# Altium PCB Inverter2beta.PcbDoc (part 2 of 5) (continued)
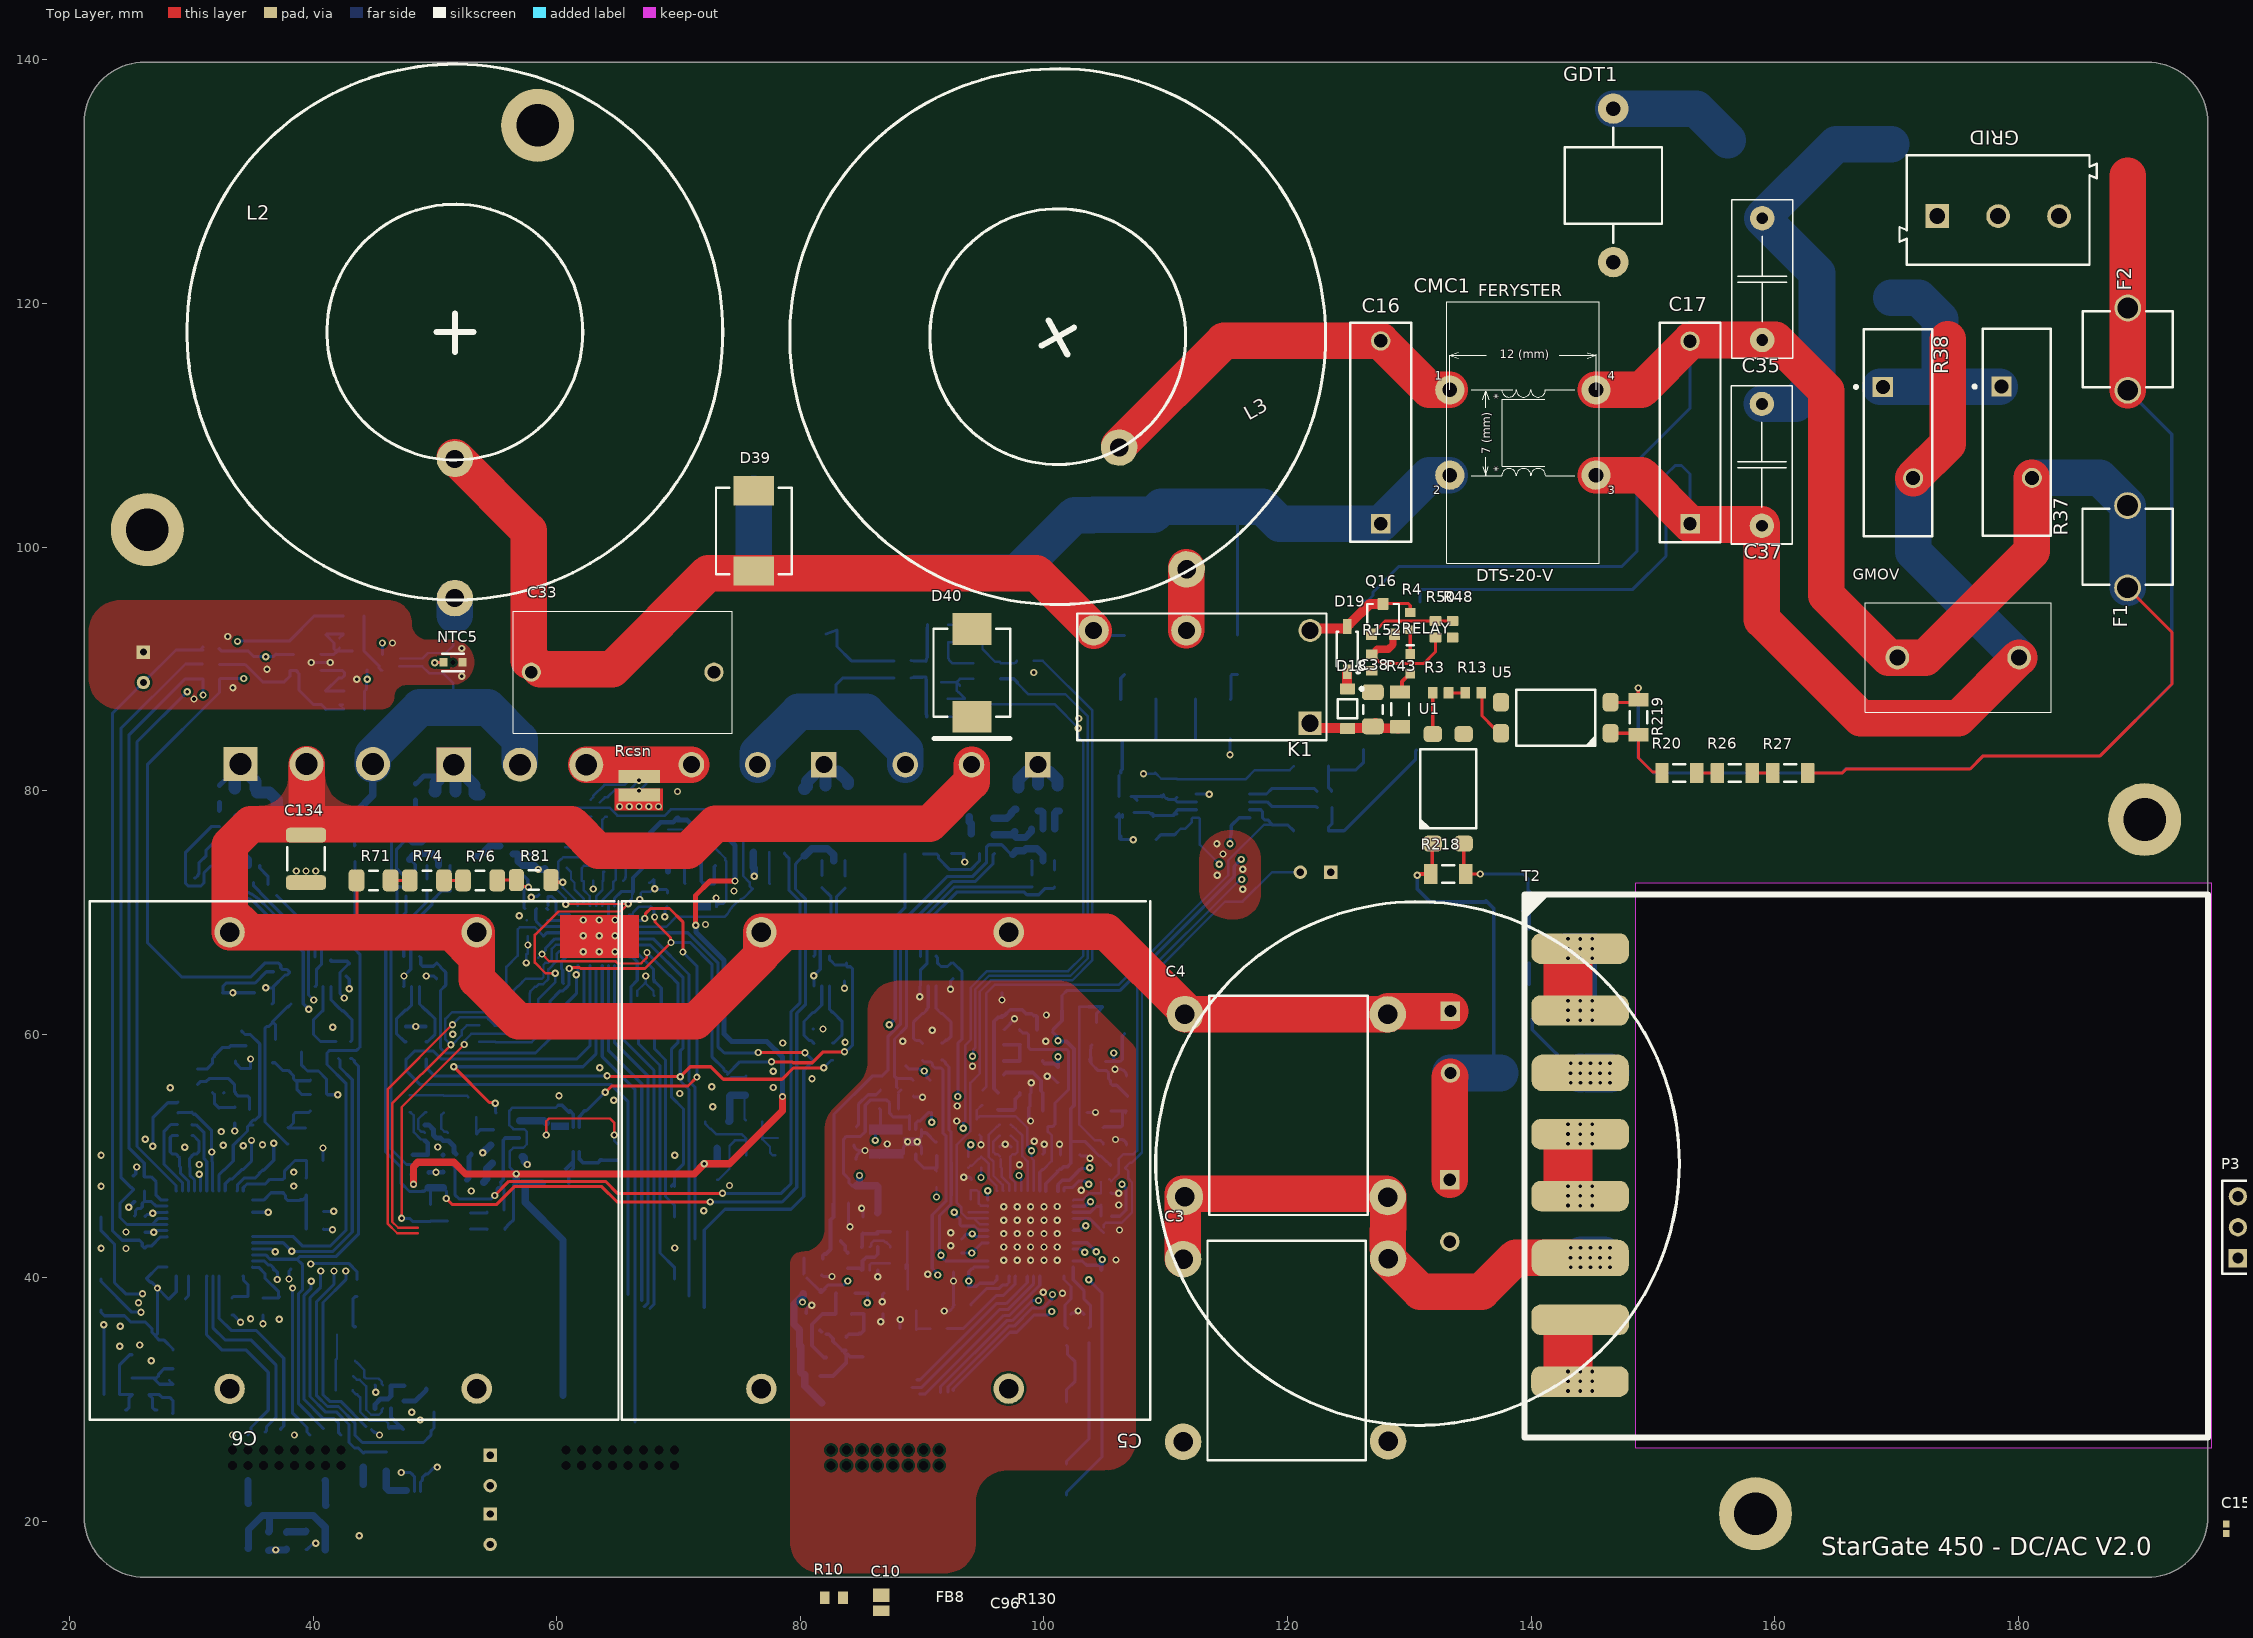
[diagram p0: Top Layer view]
## Part data (continued)
C47 C61 C68 C73 C107 C129: library part CMP-2006-02595-1, "0603 100pF 50V ±5 % Tolerance C0G SMT Multilayer Ceramic Capacitor", Case Code (Imperial)=0603, Case Code (Metric)=1608, Dielectric=C0G, Dielectric Material=Ceramic, Insulation Resistance=10GR, Manufacturer=Murata, Manufacturer Part Number=GRM1885C1H101JA01D, Max Operating Temperature=125°C, Min Operating Temperature=-55°C, Package Quantity=1, Supplier Part Number 1=490-1427-1-ND, Temperature coefficient=30ppm/°C, Tolerance=5%, Voltage=50V, Capacitance=100pF, Case/Package=0603, Category="Ceramic Capacitors", ComponentLink1Description=https://datasheet.ciiva.com/131/product-131088.pdf?src-supplier=Digi-Key, ComponentLink1URL=https://datasheet.ciiva.com/131/product-131088.pdf?src-supplier=Digi-Key, ComponentLink2Description=https://datasheet.ciiva.com/18100/getdatasheetpartid-26823-18100641.pdf?src-supplier=Verical, ComponentLink2URL=https://datasheet.ciiva.com/18100/getdatasheetpartid-26823-18100641.pdf?src-supplier=Verical, ComponentLink3Description=https://datasheet.ciiva.com/3777/grm1885c1h101ja0123-3777264.pdf?src-supplier=Arrow+Electronics, ComponentLink3URL=https://datasheet.ciiva.com/3777/grm1885c1h101ja0123-3777264.pdf?src-supplier=Arrow+Electronics, ComponentLink4Description=https://datasheet.ciiva.com/29149/450134-da-01-en-vs-kondensator-0603-29149008.pdf?src-supplier=Conrad, ComponentLink4URL=https://datasheet.ciiva.com/29149/450134-da-01-en-vs-kondensator-0603-29149008.pdf?src-supplier=Conrad, ComponentLink5Description=https://datasheet.ciiva.com/131/partnumbering-e-01-131089.pdf?src-supplier=Digi-Key, ComponentLink5URL=https://datasheet.ciiva.com/131/partnumbering-e-01-131089.pdf?src-supplier=Digi-Key, ComponentLink6Description=https://datasheet.ciiva.com/11605/c02e-11605557.pdf?src-supplier=Avnet, ComponentLink6URL=https://datasheet.ciiva.com/11605/c02e-11605557.pdf?src-supplier=Avnet, ComponentLink7Description=https://datasheet.ciiva.com/28556/4360-28556551.pdf?src-supplier=Element14, ComponentLink7URL=https://datasheet.ciiva.com/28556/4360-28556551.pdf?src-supplier=Element14, ComponentLink8Description=https://datasheet.ciiva.com/7828/4360-7828889.pdf?src-supplier=Element14, ComponentLink8URL=https://datasheet.ciiva.com/7828/4360-7828889.pdf?src-supplier=Element14, ComponentLink9Description=https://datasheet.ciiva.com/7828/4360-7828890.pdf?src-supplier=Element14, ComponentLink9URL=https://datasheet.ciiva.com/7828/4360-7828890.pdf?src-supplier=Element14, ComponentLink10Description=https://datasheet.ciiva.com/7828/4360-7828891.pdf?src-supplier=Element14, ComponentLink10URL=https://datasheet.ciiva.com/7828/4360-7828891.pdf?src-supplier=Element14, ComponentLink11Description=https://datasheet.ciiva.com/14116/grmseries-tc-hitype-eng-14116828.pdf?src-supplier=Distrelec, ComponentLink11URL=https://datasheet.ciiva.com/14116/grmseries-tc-hitype-eng-14116828.pdf?src-supplier=Distrelec, ComponentLink12Description=https://datasheet.ciiva.com/16291/product-16291613.pdf?src-supplier=Future+Electronics, ComponentLink12URL=https://datasheet.ciiva.com/16291/product-16291613.pdf?src-supplier=Future+Electronics, ComponentLink13Description=https://datasheet.ciiva.com/131/partnumbering-e-01-131087.pdf?src-supplier=Digi-Key, ComponentLink13URL=https://datasheet.ciiva.com/131/partnumbering-e-01-131087.pdf?src-supplier=Digi-Key, ComponentLink14Description=https://datasheet.ciiva.com/14116/grmseries-tc-hitype-eng-14116815.pdf?src-supplier=Distrelec, ComponentLink14URL=https://datasheet.ciiva.com/14116/grmseries-tc-hitype-eng-14116815.pdf?src-supplier=Distrelec, Depth=0.8mm, Height=0.8mm, Lead Free="Lead Free", Length=1.6mm, Material=Ceramic, Mount="Surface Mount", Number of Pins=2, Packaging="Tape and Reel", Part Number=GRM1885C1H101JA01D, Pricing 1="1=0.10000, 10=0.06100, 50=0.03320, 100=0.02700, 500=0.01932, 1000=0.01518 (USD)", Radiation Hardening=No, REACH SVHC=Unknown, RoHS=Yes, RoHS Compliant=Yes, Stock 1=416176, Supplier 1=Digi-Key, Termination=SMD/SMT, Thickness=0.035inch, Voltage Rating=50V, Voltage Rating (DC)=50V, Weight=7.1E-05oz, Width=0.031inch
C48: library part CMP-2007-01008-1, Case Code (Imperial)=0805, Case Code (Metric)=2012, Dielectric=X5R, Dielectric Material=Ceramic, Manufacturer=Kemet, Manufacturer Part Number=C0805C476M9PACTU, Max Operating Temperature=85°C, Min Operating Temperature=-55°C, Package Quantity=3000, Tolerance=20%, Voltage=6.3V, Capacitance=47uF, Case/Package=0805, Category="Ceramic Capacitors", ComponentLink1Description=https://datasheet.ciiva.com/6137/40889-6137142.pdf?src-supplier=Farnell, ComponentLink1URL=https://datasheet.ciiva.com/6137/40889-6137142.pdf?src-supplier=Farnell, ComponentLink2Description=https://datasheet.ciiva.com/7842/40889-7842618.pdf?src-supplier=Element14, ComponentLink2URL=https://datasheet.ciiva.com/7842/40889-7842618.pdf?src-supplier=Element14, Construction=Flat, Depth=1.25mm, Dissipation Factor=5%, Height=1.25mm, Length=2mm, Mount="PCB,Surface Mount", Number of Pins=2, Packaging="Tape and Reel", Part Number=C0805C476M9PACTU, Pricing 1="2500=0.27011, 5000=0.26906, 10000=0.26795, 15000=0.26678, 20000=0.26555 (USD)", Radiation Hardening=No, REACH SVHC="No SVHC", RoHS=Yes, RoHS Compliant=Yes, Series=C0805C, Stock 1=561000, Supplier 1=Avnet, Supplier Part Number 1=C0805C476M9PACTU, Termination=SMD/SMT, Voltage Rating=6.3V, Voltage Rating (DC)=6.3V, Width=1.2mm
C63 C65 C72 C131 C163: library part CMP-2008-02743-1, Case Code (Imperial)=0402, Case Code (Metric)=1005, Dielectric=X5R, Dielectric Material=Ceramic, Manufacturer="AVX Interconnect / Elco", Manufacturer Part Number=04026D104KAT2A, Max Operating Temperature=85°C, Min Operating Temperature=-55°C, Package Quantity=1, Supplier Part Number 1=34M9214, Tolerance=10%, Voltage=6.3V, Capacitance=100nF, Case/Package=0402, Category="Ceramic Capacitors", Construction=Flat, Contact Plating=Tin,Matte, Depth=0.5mm, Height=0.56mm, Lead Free="Lead Free", Length=1mm, Mount="Surface Mount", Packaging="Tape and Reel", Part Number=04026D104KAT2A, Pricing 1="10=0.02800, 25=0.02300, 50=0.01800, 100=0.01200, 250=0.01100, 500=0.00900, 1000=0.00700 (USD)", Radiation Hardening=No, REACH SVHC="No SVHC", RoHS=Yes, RoHS Compliant=Yes, Series=-, Stock 1=1436, Supplier 1=Newark, Termination=SMD/SMT, Thickness=0.022inch, Voltage Rating=6.3V, Voltage Rating (DC)=6.3V, Width=0.02inch
C83 C84: library part CMP-2100-03594-1, "Chip Capacitor, 100 pF, +/- 5%, 50 V, -55 to 125 degC, 0603 (1608 Metric), RoHS, Tape and Reel", Case Code (Imperial)=0603, Case Code (Metric)=1608, Dielectric=C0G, Insulation Resistance=100GR, Manufacturer=Yageo, Manufacturer Part Number=CC0603JRNPO9BN101, Max Operating Temperature=125degC, Min Operating Temperature=-55degC, Package Description="2-Pin Surface Mount Device, Body 1.6 x 0.8 mm", Package Quantity=1, Resistor Type=Ceramic, Supplier Part Number 1=65R8033, Temperature coefficient=30ppm/degC, Tolerance=5%, Voltage=50V, Capacitance=100pF, Case/Package=0603, Category="Ceramic Capacitors", ComponentLink1Description=https://datasheet.ciiva.com/11786/0900766b8079c870-11786060.pdf?src-supplier=RSComponents, ComponentLink1URL=https://datasheet.ciiva.com/11786/0900766b8079c870-11786060.pdf?src-supplier=RSComponents, ComponentLink2Description=https://datasheet.ciiva.com/144/mlccorderingcode-144628.pdf?src-supplier=Digi-Key, ComponentLink2URL=https://datasheet.ciiva.com/144/mlccorderingcode-144628.pdf?src-supplier=Digi-Key, ComponentLink3Description=https://datasheet.ciiva.com/144/mlccorderingcode-144629.pdf?src-supplier=Digi-Key, ComponentLink3URL=https://datasheet.ciiva.com/144/mlccorderingcode-144629.pdf?src-supplier=Digi-Key, ComponentLink4Description=https://datasheet.ciiva.com/11464/upy-gp-np0-16v-to-50v-8-11464725.pdf?src-supplier=Avnet, ComponentLink4URL=https://datasheet.ciiva.com/11464/upy-gp-np0-16v-to-50v-8-11464725.pdf?src-supplier=Avnet, ComponentLink5Description=https://datasheet.ciiva.com/144/mlccorderingcode-144630.pdf?src-supplier=Digi-Key, ComponentLink5URL=https://datasheet.ciiva.com/144/mlccorderingcode-144630.pdf?src-supplier=Digi-Key, ComponentLink6Description=https://datasheet.ciiva.com/46430/1835847-46430151.pdf?src-supplier=Element14, ComponentLink6URL=https://datasheet.ciiva.com/46430/1835847-46430151.pdf?src-supplier=Element14, ComponentLink7Description=https://datasheet.ciiva.com/28450/1443161-28450457.pdf?src-supplier=Element14, ComponentLink7URL=https://datasheet.ciiva.com/28450/1443161-28450457.pdf?src-supplier=Element14, ComponentLink8Description=https://datasheet.ciiva.com/16625/upy-gp-np0-16v-to-50v-8-16625515.pdf?src-supplier=Avnet+Europe, ComponentLink8URL=https://datasheet.ciiva.com/16625/upy-gp-np0-16v-to-50v-8-16625515.pdf?src-supplier=Avnet+Europe, ComponentLink9Description=https://datasheet.ciiva.com/26829/getdatasheetpartid-403525-26829372.pdf?src-supplier=Verical, ComponentLink9URL=https://datasheet.ciiva.com/26829/getdatasheetpartid-403525-26829372.pdf?src-supplier=Verical, ComponentLink10Description=https://datasheet.ciiva.com/7978/1443161-7978127.pdf?src-supplier=Element14, ComponentLink10URL=https://datasheet.ciiva.com/7978/1443161-7978127.pdf?src-supplier=Element14, Composition=Ceramic, Datasheet URL=http://www.yageo.com/documents/recent/UPY-GP_NP0_16V-to-50V_14.pdf, Datasheet Version="Rev. 14, 07/2016", Depth=0.8mm, Height=0.8mm, Lead Free=LeadFree, Length=1.6mm, Manufacturer URL=http://www.yageo.com/, Mount=SurfaceMount, Number of Pins=2, Package Reference=0603, Packaging=TapeandReel, Pricing 1="4000=0.00700, 8000=0.00600 (USD)", Radiation Hardening=No, REACH SVHC=Unknown, RoHS=Yes, RoHS Compliant=Yes, RoHSCompliant=True, Series=CC, Stock 1=296000, Supplier 1=Newark, Termination=SMD/SMT, Thickness=0.035inch, Voltage Rating=50V, Voltage Rating (DC)=50V, Width=0.8mm
C110: library part CMP-2006-04481-1, "Cap Ceramic 4.7uF 6.3VDC X5R 10% SMD 0603 Paper T/R", Case Code (Imperial)=0603, Case Code (Metric)=1608, Dielectric=X5R, Dielectric Material=Ceramic, Manufacturer="AVX Interconnect / Elco", Manufacturer Part Number=06036D475KAT2A, Max Operating Temperature=85°C, Min Operating Temperature=-55°C, Package Quantity=1, Supplier Part Number 1=581-06036D475K, Tolerance=20%, Voltage=6.3V, Capacitance=4.7uF, Case/Package=0603, Category="Ceramic Capacitors", ComponentLink1Description=https://datasheet.ciiva.com/1458/1796776-1458120.pdf?src-supplier=Element14, ComponentLink1URL=https://datasheet.ciiva.com/1458/1796776-1458120.pdf?src-supplier=Element14, ComponentLink2Description=https://datasheet.ciiva.com/15212/getdatasheetpartid-149720-15212362.pdf?src-supplier=Verical, ComponentLink2URL=https://datasheet.ciiva.com/15212/getdatasheetpartid-149720-15212362.pdf?src-supplier=Verical, ComponentLink3Description=https://datasheet.ciiva.com/151/cx5r-151515.pdf?src-supplier=Digi-Key, ComponentLink3URL=https://datasheet.ciiva.com/151/cx5r-151515.pdf?src-supplier=Digi-Key, ComponentLink4Description=https://datasheet.ciiva.com/151/cx5r-151516.pdf?src-supplier=Digi-Key, ComponentLink4URL=https://datasheet.ciiva.com/151/cx5r-151516.pdf?src-supplier=Digi-Key, ComponentLink5Description=https://datasheet.ciiva.com/22677/lt-22677180.pdf?src-supplier=Element14, ComponentLink5URL=https://datasheet.ciiva.com/22677/lt-22677180.pdf?src-supplier=Element14, ComponentLink6Description=https://datasheet.ciiva.com/22700/1796776-22700572.pdf?src-supplier=Element14, ComponentLink6URL=https://datasheet.ciiva.com/22700/1796776-22700572.pdf?src-supplier=Element14, ComponentLink7Description=https://datasheet.ciiva.com/151/cx5r-151517.pdf?src-supplier=Digi-Key, ComponentLink7URL=https://datasheet.ciiva.com/151/cx5r-151517.pdf?src-supplier=Digi-Key, ComponentLink8Description=https://datasheet.ciiva.com/2987/cx5r-2987869.pdf?src-supplier=Avnet, ComponentLink8URL=https://datasheet.ciiva.com/2987/cx5r-2987869.pdf?src-supplier=Avnet, ComponentLink9Description=https://datasheet.ciiva.com/6150/lt-6150797.pdf?src-supplier=Farnell, ComponentLink9URL=https://datasheet.ciiva.com/6150/lt-6150797.pdf?src-supplier=Farnell, ComponentLink10Description=https://datasheet.ciiva.com/7855/1666675-7855102.pdf?src-supplier=Element14, ComponentLink10URL=https://datasheet.ciiva.com/7855/1666675-7855102.pdf?src-supplier=Element14, Construction=Flat, Contact Plating=Tin,Matte, Depth=0.81mm, Height=0.9mm, Lead Free="Lead Free", Length=1.6mm, Mount="Surface Mount,PCB", Number of Pins=2, Packaging="Tape and Reel", Part Number=06036D475KAT2A, Pricing 1="1=0.19000, 10=0.11100, 50=0.11100, 100=0.06000, 1000=0.04900, 10000=0.04800 (USD)", Radiation Hardening=No, REACH SVHC="No SVHC", RoHS=Yes, RoHS Compliant=Yes, Series=-, Stock 1=80199, Supplier 1=Mouser, Termination=SMD/SMT, Thickness=0.035inch, Voltage Rating=6.3V, Voltage Rating (DC)=6.3V, Width=0.032inch
C113: library part CAPC_1u_0805_X7R_16V_10%, "Capacitor SMD Cer 1uF 10% 16V X7R 0805", Manufacturer 1=Yageo, Manufacturer 2=Kemet, Manufacturer 3="Samsung Electro-Mechanics America, Inc", Manufacturer 4="TDK Corporation", Manufacturer Part Number 1=CC0805KKX7R7BB105, Manufacturer Part Number 2=C0805C105K4RACTU, Manufacturer Part Number 3=CL21B105KOFNNNE, Manufacturer Part Number 4=C2012X7R1C105K125AA, Package / Case="0805 (2012 metric)", Ratings="16V; X7R", Supplier Part Number 1=311-1365-6-ND, Temperature coefficient=X7R, Tolerance=±10%, ComponentLink1Description=http://www.yageo.com/documents/recent/UPY-GPHC_X7R_6.3V-to-50V_8.pdf, ComponentLink1URL=http://www.yageo.com/documents/recent/UPY-GPHC_X7R_6.3V-to-50V_8.pdf, ComponentLink2Description=http://www.kemet.com/datasheets&C0805C105K4RACTU, ComponentLink2URL=http://www.kemet.com/datasheets&C0805C105K4RACTU, ComponentLink3Description=http://www.samsungsem.com/servlet/FileDownload?type=spec&file=CL21B105KOFNNNE.pdf, ComponentLink3URL=http://www.samsungsem.com/servlet/FileDownload?type=spec&file=CL21B105KOFNNNE.pdf, ComponentLink4Description=http://product.tdk.com/capacitor/mlcc/en/documents/mlcc_commercial_general_en.pdf, ComponentLink4URL=http://product.tdk.com/capacitor/mlcc/en/documents/mlcc_commercial_general_en.pdf, Material=ceramic, RoHS 1="RoHS Compliant", RoHS 2="RoHS Compliant", RoHS 3="RoHS Compliant", RoHS 4="RoHS Compliant", SCDType=spec, Supplier 1=Digi-Key, Supplier 2=Digi-Key, Supplier 3=Digi-Key, Supplier 4=Digi-Key, Supplier Part Number 2=399-1284-6-ND, Supplier Part Number 3=1276-1026-6-ND, Supplier Part Number 4=445-1358-6-ND
C134: library part CMP-1040-01331-1, "CAP 100nF 630V ±10% 1812 (4532 Metric) Thickness 2.3mm SMD", Case-EIA=1812, Case-Metric=4532, Rated Voltage="630 V", Tolerance=Â±10%, Max Thickness="2.3 mm", Technology=SMT
C153 C169: library part CMP-2006-04476-1, Manufacturer="AVX Interconnect / Elco", Part Number=06036D106MAT2A
CMC1: library part CMC_2K2_100M_3216-SMD, "Common Mode Choke 2.2K Ohm 1206 SMD", Manufacturer 1="Wurth Electronics Inc", Manufacturer Part Number 1=744232222, Package / Case="Horizontal, 4 PC Pad", Ratings="2.2k Ohms at 100MHz", Supplier Part Number 1=732-1474-1-ND, ComponentLink1Description="744232222 datasheet", ComponentLink1URL=http://katalog.we-online.de/kataloge/eisos/media/pdf/744232222.pdf, Height (Max)="0.083\" (2.10mm)", Impedance="2200 Ohm at 100 MHz", PackageDescription="SMD Inductor, 4-Leads, Body 1.8 x 3.4 mm", SCDType=source, Supplier 1=Digi-Key
CONN_BOTT CONN_TOP CONN_VAC: "Connector", Manufacturer_Name=SAMTEC, Mouser Part Number=200-CLP10802FDBE, Arrow Part Number=CLP-108-02-F-D-BE, Arrow Price/Stock=https://www.arrow.com/en/products/clp-108-02-f-d-be/samtec, Datasheet Link=http://suddendocs.samtec.com/prints/erm8-xxx-xx.x-xxx-dv-xxxx-xx-mkt.pdf, Manufacturer_Part_Number=CLP-108-02-F-D-BE, Mouser Price/Stock=https://www.mouser.co.uk/ProductDetail/Samtec/CLP-108-02-F-D-BE?qs=0lQeLiL1qyYUOoO2ps5Gwg%3D%3D
D1 D22 D25 D26 D27: library part CMP-1055-00559-1, "Dual Series Schottky Barrier Diodes, 3-Pin SOT-323, Pb-Free, Tape and Reel", Manufacturer="On Semiconductor", ComponentLink1Description="Manufacturer URL", ComponentLink1URL=http://www.onsemi.com/, ComponentLink2Description=Datasheet, ComponentLink2URL=http://www.onsemi.cn/pub_link/Collateral/BAT54SWT1-D.PDF, ComponentLink3Description="Package Specification", ComponentLink3URL=http://www.onsemi.com/pub_link/Collateral/419-04.PDF, Configuration=Dual, DatasheetVersion="Rev. 10", IFSM Max (A)=0.6, Mounting Technology="Surface Mount", PackageDescription="3-Pin Small Outline Transistor, Body 2 x 1.25 mm, Pitch 0.65 mm", PackageReference=SOT-323-3-419-04, PackageVersion="Rev. N, 11/2008", Packing="Tape and Reel", PartNumber=BAT54SWT1G, RoHS=TRUE, trr Max (ns)=5
D2 D5 D19: library part CMP-0303-00003-1, "1.0 A Surface Mount Schottky Barrier Rectifier, 40 V, -65 to 125 degC, 2-Pin SOD-123 Package, RoHS, Tape and Reel", @ Terminal Temperature TT (degC)=90, Forward Voltage Drop VF (V)=0.45, Manufacturer="Diodes Inc", Maximum Average Rectified Current IO (A)=1, Maximum Reverse Current IR (uA)=50, Operating and Storage Temperature Range="-65 to 125 degC", Peak Forward Surge Current IFSM (A)=25, Peak Repetitive Reverse Voltage VRRM (V)=40, @ IF (A)=1, @ VR (V)=40, ComponentLink1Description="Manufacturer URL", ComponentLink1URL=http://www.diodes.com/, ComponentLink2Description=Datasheet, ComponentLink2URL=http://www.diodes.com/datasheets/ds30217.pdf, DatasheetVersion="Rev. 15-2", Mounting Technology="Surface Mount", PackageDescription="2-Pin SOD-123, Body 2.7 x 1.55 mm, Pitch 3.7 mm", PackageReference=SOD-123-2, Packing="Tape and Reel", PartNumber=1N5819HW-7-F, RoHS=TRUE, Total Capacitance CT (pF)=50, VR (RMS) (V)=28
D3 D4: library part CMP-1161-00003-1, "3rd Generation ThinQ SiC Schottky Diode, -55 to 175 degC, PG-TO220-2-1, Tube, Green", Manufacturer=Infineon, Supplier Part Number 1=IDH06G65C6XKSA1-ND, ComponentLink1Description="Manufacturer URL", ComponentLink1URL=http://www.infineon.com/, ComponentLink2Description=Datasheet, ComponentLink2URL=http://www.infineon.com/dgdl/IDH06SG60C_rev2.4.pdf?folderId=db3a30431ddc9372011ed0010fda1bd3&fileId=db3a30431ed1d7b2011eee0cadfb545a, ComponentLink3Description="Package Specification", ComponentLink3URL=http://www.infineon.com/dgdl/IDP09E120_v2_3G%5B1%5D.pdf?folderId=db3a304314dca38901151224afae0c96&fileId=db3a30432313ff5e01237a7d849d7c11, ComponentLink4Description=https://www.infineon.com/dgdl/Infineon-IDH06G65C6-DS-v02_00-EN.pdf?fileId=5546d4625cc9456a015cd4d37d7a2df6&src-supplier=Digi-Key, ComponentLink4URL=https://www.infineon.com/dgdl/Infineon-IDH06G65C6-DS-v02_00-EN.pdf?fileId=5546d4625cc9456a015cd4d37d7a2df6&src-supplier=Digi-Key, Manufacturer Part Number=IDH06G65C6XKSA1, Pricing 1="1=2,68000, 10=2,41000, 100=1,97460, 500=1,68092, 1000=1,41764 (USD)", RoHS=No, Stock 1=1521, Supplier 1=Digi-Key
D6 D7 D11 D12 D21 D23: library part CMP-1063-00098-1, "Transient Voltage Suppressor, Micro-Packaged Diode for ESD Protection, 2-Pin SOD-523, Pb-Free, Tape and Reel", Manufacturer="On Semiconductor", PartNumber=ESD5Z3.3T1G, ComponentLink1Description="Manufacturer URL", ComponentLink1URL=http://www.onsemi.com/, ComponentLink2Description=Datasheet, ComponentLink2URL=http://www.onsemi.cn/pub_link/Collateral/ESD5Z2.5T1-D.PDF, ComponentLink3Description="Package Specification", ComponentLink3URL=http://www.onsemi.com/pub_link/Collateral/502-01.PDF, DatasheetVersion="Rev. 10", Direction=Unidirectional, IR Max (uA)=0.05, Mounting Technology="Surface Mount", Number of Lines=1, PackageDescription="2-Pin SOD, Body 1.2 x 0.8 mm", PackageReference=SOD-523-2-502-01, PackageVersion="Rev. E, 09/2010", Packing="Tape and Reel", PPK Max (W)=158, RoHS=Pb-Free, V(BR) Min (V)=5, VRWM Max (V)=3.3
D8 D10 D13 D14 D15 D16 D17 D20: library part CMP-1063-00102-1, "Transient Voltage Suppressor, Micro-Packaged Diode for ESD Protection, 2-Pin SOD-523, Pb-Free, Tape and Reel", Manufacturer="On Semiconductor", PartNumber=ESD5Z5.0T1G, ComponentLink1Description="Manufacturer URL", ComponentLink1URL=http://www.onsemi.com/, ComponentLink2Description=Datasheet, ComponentLink2URL=http://www.onsemi.cn/pub_link/Collateral/ESD5Z2.5T1-D.PDF, ComponentLink3Description="Package Specification", ComponentLink3URL=http://www.onsemi.com/pub_link/Collateral/502-01.PDF, DatasheetVersion="Rev. 10", Direction=Unidirectional, IR Max (uA)=0.05, Mounting Technology="Surface Mount", Number of Lines=1, PackageDescription="2-Pin SOD, Body 1.2 x 0.8 mm", PackageReference=SOD-523-2-502-01, PackageVersion="Rev. E, 09/2010", Packing="Tape and Reel", PPK Max (W)=174, RoHS=Pb-Free, V(BR) Min (V)=6.2, VRWM Max (V)=5
D9 D30 D31 D32: library part CMP-1055-00560-1, "Dual Series Schottky Barrier Diodes, 3-Pin SOT-323, Tape and Reel", Manufacturer="On Semiconductor", ComponentLink1Description="Manufacturer URL", ComponentLink1URL=http://www.onsemi.com/, ComponentLink2Description=Datasheet, ComponentLink2URL=http://www.onsemi.cn/pub_link/Collateral/BAT54SWT1-D.PDF, ComponentLink3Description="Package Specification", ComponentLink3URL=http://www.onsemi.com/pub_link/Collateral/419-04.PDF, Configuration=Dual, DatasheetVersion="Rev. 10", IFSM Max (A)=0.6, Mounting Technology="Surface Mount", PackageDescription="3-Pin Small Outline Transistor, Body 2 x 1.25 mm, Pitch 0.65 mm", PackageReference=SOT-323-3-419-04, PackageVersion="Rev. N, 11/2008", Packing="Tape and Reel", PartNumber=BAT54SWT1, RoHS=FALSE, trr Max (ns)=5
D18: library part CMP-1060-00300-1, "Zener Voltage Regulator, 500 mW, 2-Pin SOD-123, Pb-Free, Tape and Reel", Manufacturer="On Semiconductor", ComponentLink1Description="Manufacturer URL", ComponentLink1URL=http://www.onsemi.com/, ComponentLink2Description=Datasheet, ComponentLink2URL=http://www.onsemi.com/pub_link/Collateral/MMSZ4678T1-D.PDF, ComponentLink3Description="Package Specification", ComponentLink3URL=http://www.onsemi.com/pub_link/Collateral/425-04.PDF, DatasheetVersion="Rev. 9", Mounting Technology="Surface Mount", P Max (W)=0.5, PackageDescription="2-Pin SOD, Body 1.6 x 2.69 mm", PackageReference=SOD-123-2-425-04, PackageVersion="Rev. G, 10/2009", Packing="Tape and Reel", PartNumber=SZMMSZ4702T1G, RoHS=Pb-Free, VZ Typ (V)=15
D24: library part CMP-1055-00557-1, "Dual Series Cathode Schottky Barrier Diodes, 3-Pin SOT-323, Pb-Free, Tape and Reel", Manufacturer="On Semiconductor", ComponentLink1Description="Manufacturer URL", ComponentLink1URL=http://www.onsemi.com/, ComponentLink2Description=Datasheet, ComponentLink2URL=http://www.onsemi.cn/pub_link/Collateral/BAT54CWT1-D.PDF, ComponentLink3Description="Package Specification", ComponentLink3URL=http://www.onsemi.com/pub_link/Collateral/419-04.PDF, Configuration="Common Cathode", DatasheetVersion="Rev. 7", IFSM Max (A)=0.6, Mounting Technology="Surface Mount", PackageDescription="3-Pin Small Outline Transistor, Body 2 x 1.25 mm, Pitch 0.65 mm", PackageReference=SOT-323-3-419-04, PackageVersion="Rev. N, 11/2008", Packing="Tape and Reel", PartNumber=BAT54CWT1G, RoHS=TRUE, trr Max (ns)=5
D39: library part CMP-08607-000117-1, "TVS DIODE 376V 602V DO214AB", Breakdown Voltage=418V, Case/Package=DO-214AB, Clamping Voltage=602V, Leakage Current=5uA, Manufacturer=Littelfuse, Max Breakdown Voltage=462V, Max Operating Temperature=150°C, Max Power Dissipation=6.5W, Max Reverse Leakage Current=1uA, Max Surge Current=2.5A, Min Operating Temperature=-65°C, Operating Supply Voltage=376V, Package Quantity=3000, Peak Pulse Power=1.5kW, Power Line Protection=No, Resistor Type=Zener, Supplier Part Number 1=1.5SMC440CACT-ND, Test Current=1mA, Voltage Rating (DC)=440V, Category="TVS Diodes", Clamping Voltage-Max=602V, ComponentLink1Description=https://datasheet.ciiva.com/26948/getdatasheetpartid-789195-26948227.pdf?src-supplier=Verical, ComponentLink1URL=https://datasheet.ciiva.com/26948/getdatasheetpartid-789195-26948227.pdf?src-supplier=Verical, ComponentLink2Description=https://datasheet.ciiva.com/332/littelfuse-tvs-diode-1-5smc-datasheet-pdf-332643.pdf?src-supplier=Digi-Key, ComponentLink2URL=https://datasheet.ciiva.com/332/littelfuse-tvs-diode-1-5smc-datasheet-pdf-332643.pdf?src-supplier=Digi-Key, ComponentLink3Description=https://datasheet.ciiva.com/332/littelfuse-tvs-diode-1-5smc-datasheet-pdf-332644.pdf?src-supplier=Digi-Key, ComponentLink3URL=https://datasheet.ciiva.com/332/littelfuse-tvs-diode-1-5smc-datasheet-pdf-332644.pdf?src-supplier=Digi-Key, ComponentLink4Description=https://datasheet.ciiva.com/332/littelfuse-tvs-diode-1-5smc-datasheet-pdf-332645.pdf?src-supplier=Digi-Key, ComponentLink4URL=https://datasheet.ciiva.com/332/littelfuse-tvs-diode-1-5smc-datasheet-pdf-332645.pdf?src-supplier=Digi-Key, ComponentLink5Description=https://datasheet.ciiva.com/1275/littelfuse-tvs-diodes-1-5smc-1275687.pdf?src-supplier=Element14, ComponentLink5URL=https://datasheet.ciiva.com/1275/littelfuse-tvs-diodes-1-5smc-1275687.pdf?src-supplier=Element14, Diode Type=ZENER, Direction=Bidirectional, Element Configuration=Single, Height=2.417mm, Lead Free="Lead Free", Length=7.11mm, Manufacturer Part Number=1.5SMC440CA, Min Breakdown Voltage=418V, Mount="Surface Mount", Number of Bidirectional Channels=1, Number of Channels=1, Number of Elements=1, Number of Pins=2, Packaging="Tape and Reel", Peak Pulse Current=2.5A, Polarity=Bidirectional, Power Dissipation=1.5kW, Pricing 1="1=0.98000, 10=0.87600, 100=0.68340, 500=0.56450, 1000=0.44566 (USD)", Radiation Hardening=No, REACH SVHC=Unknown, Reverse Breakdown Voltage=418V, Reverse Standoff Voltage=376V, RoHS=Yes, RoHS Compliant=Yes, Series=1.5SMC, Stock 1=11544, Supplier 1=Digi-Key, Termination=SMD/SMT, Width=6.22mm
D40: library part CMP-2000-07108-1, "Transient Voltage Suppressor, 1500 W, 434 V, 2-Pin SMD, RoHS, Tape and Reel", Breakdown Voltage=503.5V, Case/Package=DO-214AB, Clamping Voltage=725V, Manufacturer=Littelfuse, Max Operating Temperature=150°C, Max Surge Current=2.1A, Min Operating Temperature=-65°C, Operating Supply Voltage=477V, Package Quantity=3000, Peak Pulse Power=1.5kW, Power Line Protection=No, Resistor Type=Zener, Supplier Part Number 1=18-1.5SMC530ACT-ND, Voltage Rating (DC)=530V, Category="TVS Diodes", ComponentLink1Description=https://datasheet.ciiva.com/349/littelfuse-tvs-diode-1-5smc-datasheet-pdf-349735.pdf?src-supplier=Digi-Key, ComponentLink1URL=https://datasheet.ciiva.com/349/littelfuse-tvs-diode-1-5smc-datasheet-pdf-349735.pdf?src-supplier=Digi-Key, Diode Type=ZENER, Height=2.62mm, Lead Free="Lead Free", Length=8.13mm, Manufacturer Part Number=1.5SMC510A, Min Breakdown Voltage=503.5V, Mount="Surface Mount", Number of Channels=1, Number of Unidirectional Channels=1, Packaging="Tape and Reel", Peak Pulse Current=2.1A, Polarity=Unidirectional, Pricing 1="1=0.90000, 10=0.80300, 100=0.62600, 500=0.51710, 1000=0.40824 (USD)", Reverse Standoff Voltage=477V, RoHS=Yes, RoHS Compliant=Yes, Series=1.5SMC, Stock 1=3000, Supplier 1=Digi-Key, Termination=SMD/SMT, Width=6.22mm
F1 F2: library part CMP-0956-00001-1, "Straight PC Leg Fuse Clip-W/O Orientation Leg P/N, 15 A, 2-Pin THD", Current Rating="15 A", Manufacturer=Keystone, ComponentLink1Description="Manufacturer URL", ComponentLink1URL=http://www.keyelco.com/, ComponentLink2Description=Datasheet, ComponentLink2URL=http://www.keyelco.com/product-pdf.cfm?p=354, DatasheetVersion="Rev. E", Fuse Entry=Vertical, Fuse Type=Cylindrical, Mounting Technology="Through Hole", PackageDescription="2-Pin THD, Pin Spacing 6.76 mm, Height 8.71 mm", PackageReference=3517-2, PartNumber=3517, Style=CLIP, UL Recognized=Yes
F4: "Fuse", Manufacturer_Name=Bel, Mouser Part Number=530-0678H9100-02, Datasheet Link="https://www.mouser.com/datasheet/2/643/Bel Fuse_02202018_0678H-1288534.pdf", Height=3.18mm, Manufacturer_Part_Number=0678H9100-02
FB1 FB2 FB3 FB4 FB5 FB6 FB7 FB8 FB9 FB10 FB11 FB12 FB13 FB14 FB15 FB16 FB17 FB18 FB19: library part CMP-0220-00115-1, "SMD EMI Suppression Ferrite Bead WE-CBF, Z = 1500 Ohm", ComponentLink1Description="Manufacturer Link", ComponentLink1URL=http://www.we-online.com, ComponentLink2Description=Datasheet, ComponentLink2URL=http://www.we-online.de/katalog/media/pdf/742792691.pdf, DatasheetVersion=Dec-2005, Impedance="1500 Ohm", PackageDescription="Chip Inductor, 2-Leads, Body 1.6 x 0.8 mm", PackageReference=SMD-0603, PackageVersion=2009
GDT1: "GDT 240VAC 10KA THROUGH HOLE", Breakdown Voltage=715V, Capacitance=1pF, Manufacturer=Littelfuse, Manufacturer Part Number=AC240L, Max Operating Temperature=125°C, Min Breakdown Voltage=425V, Min Operating Temperature=-40°C, Package Quantity=350, Peak Pulse Current=10A, Supplier Part Number 1=F2725-ND, Voltage Rating=240V, Category=Uncategorized, ComponentLink1Description=https://datasheet.ciiva.com/25606/0900766b81123301-25606550.pdf?src-supplier=RSComponents, ComponentLink1URL=https://datasheet.ciiva.com/25606/0900766b81123301-25606550.pdf?src-supplier=RSComponents, ComponentLink2Description=https://datasheet.ciiva.com/15226/getdatasheetpartid-76877-15226854.pdf?src-supplier=Verical, ComponentLink2URL=https://datasheet.ciiva.com/15226/getdatasheetpartid-76877-15226854.pdf?src-supplier=Verical, ComponentLink3Description=https://datasheet.ciiva.com/323/littelfuse-gdt-ac-cg3-series-323306.pdf?src-supplier=Digi-Key, ComponentLink3URL=https://datasheet.ciiva.com/323/littelfuse-gdt-ac-cg3-series-323306.pdf?src-supplier=Digi-Key, ComponentLink4Description=https://datasheet.ciiva.com/22727/littelfuse-src-gdt-ac-series-r1-22727434.pdf?src-supplier=Element14, ComponentLink4URL=https://datasheet.ciiva.com/22727/littelfuse-src-gdt-ac-series-r1-22727434.pdf?src-supplier=Element14, ComponentLink5Description=https://datasheet.ciiva.com/18416/70184210-18416011.pdf?src-supplier=Allied+Electronics, ComponentLink5URL=https://datasheet.ciiva.com/18416/70184210-18416011.pdf?src-supplier=Allied+Electronics, ComponentLink6Description=https://datasheet.ciiva.com/1272/447910-1272796.pdf?src-supplier=Element14, ComponentLink6URL=https://datasheet.ciiva.com/1272/447910-1272796.pdf?src-supplier=Element14, Fail Short=No, Height=8mm, Lead Free="Lead Free", Length=6.07mm, Max Breakdown Voltage=715V, Mount="Through Hole,Axial,Plug-In", Number of Pins=2, Number of Poles=2, Packaging=Tray, Pricing 1="1=3.08000, 5=2.93200, 10=2.78400, 50=2.24720, 100=1.90520, 350=1.85631, 700=1.56320, 1050=1.39223, 5250=1.22125 (USD)", REACH SVHC=Unknown, RoHS=Yes, Stock 1=1428, Supplier 1=Digi-Key, Termination=Axial
GMOV: "Varistor", Manufacturer_Name=Bourns, Mouser Part Number=652-GMOV-20D271K, Arrow Part Number=GMOV-20D271K, Arrow Price/Stock=https://www.arrow.com/en/products/gmov-20d271k/bourns, Datasheet Link=https://media.digikey.com/pdf/Data%20Sheets/Bourns%20PDFs/GMOV_Series_DS.pdf, Height=26mm, Manufacturer_Part_Number=GMOV-20D271K, Mouser Price/Stock=https://www.mouser.co.uk/ProductDetail/Bourns/GMOV-20D271K?qs=vLWxofP3U2wqBB3%2FsR%252BZvw%3D%3D
GRID: library part CMP-1502-03257-1, "Series 101 - 5.00 mm Horizontal Entry Modular with Pressure Clamp WR-TBL, 3 pin", Manufacturer="Wurth Elektronik", Operating Temperature=-40to105degC, Datasheet URL=http://katalog.we-online.de/em/datasheet/6911017100xx.pdf, Manufacturer URL=http://www.we-online.de, Mounting Technology=THT, Package Reference=691101710003, Packaging=Box, Part Number=691101710003, Pin Number=3, Pitch=5.00mm, Publisher=WurthElektronik
IC1: "Microcontroller 32-Bit ARM Cortex-M4 RISC 128KB Flash 1.71V to 3.6V 32-Pin UFQFPN", Manufacturer=STMicroelectronics, Manufacturer Part Number=STM32G431KBU6, Mouser Part Number=511-STM32G431KBU3, Supplier Part Number 1=497-19474-ND, Arrow Part Number=STM32G431KBU3, Arrow Price/Stock=https://www.arrow.com/en/products/stm32g431kbu3/stmicroelectronics, Category=Microcontrollers, Datasheet Link=https://componentsearchengine.com/Datasheets/1/STM32G431KBU3.pdf, Height=0.6mm, Manufacturer_Name=STMicroelectronics, Manufacturer_Part_Number=STM32G431KBU3, Mouser Price/Stock=https://www.mouser.co.uk/ProductDetail/STMicroelectronics/STM32G431KBU3?qs=PzGy0jfpSMtowkKWTRQBRw%3D%3D, Pricing 1="1=5.78000, 10=5.18800, 25=4.90440, 80=4.25038, 230=4.03239, 490=3.61827, 980=3.17870 (USD)", RoHS=No, Rule="Clearance Constraint [Clearance = 7.5mil]", Stock 1=293, Supplier 1=Digi-Key
IC2 IC4 IC6: "Integrated Circuit", Arrow Part Number="MIC2290YML TR", Manufacturer_Name=Microchip, Arrow Price/Stock=https://www.arrow.com/en/products/mic2290yml-tr/microchip-technology, Datasheet Link=http://ww1.microchip.com/downloads/en/DeviceDoc/mic2290.pdf, Height=0.95mm, Manufacturer_Part_Number="MIC2290YML TR"
J1 J2 J3: "Header, 6-Pin", LatestRevisionDate=17-Jul-2002, LatestRevisionNote="Re-released for DXP Platform.", Publisher="Altium Limited"
K1: library part CMP-1503-00190-1, "LQ Relays, 12 V Coil Voltage, 200 mW Nominal Operating Power, -40 to 85 degC, 4-Pin LQ, Carton, Case, RoHS", Coil Voltage="12 V", Manufacturer=Panasonic, Max Switching Current="10 A (N.O.), 3 A (N.C.)", Max Switching Voltage="250 V AC", Nominal Operating Power="200 mW", ComponentLink1Description="Manufacturer URL", ComponentLink1URL=http://www3.panasonic.biz/ac/ae/index.jsp, ComponentLink2Description=Datasheet, ComponentLink2URL=http://www3.panasonic.biz/ac/e_download/control/relay/power/catalog/mech_eng_lq.pdf?f_cd=401220, ComponentLink3Description="Package Specification", ComponentLink3URL=http://www3.panasonic.biz/ac/e_download/control/relay/power/catalog/mech_eng_lq.pdf?f_cd=401220, DatasheetVersion=201410-T, Electrical Life=5x10^4, Mechanical Life(Min.operation)=1x10^7, Mounting Technology="Through Hole", PackageDescription="4-Pin Through Hole Terminal Package, Body 20 x 10 mm", PackageReference=LQ-4-2000x1000x1600, PackageVersion="ASCTB92E, 10/2014", Packing="Carton, Case", PartNumber=ALQ312, Pb-Free=True, RoHS=True, Series="LQ Relays"
L1 L4 L5: library part CMP-0007-00012-1, "Semi-shielded Power Inductor, 15 uH, +/- 20%, 0.8 A, -40 to 125 degC, 3 x 3 x 1.5 mm SMD, RoHS and Halogen Free, Tape and Reel", Case/Package=1212, Current Rating=800mA, DC Resistance (DCR)=422mR, Frequency=33MHz, Inductance="15 uH", Inductance tolerance="+/- 20%", Manufacturer=Bourns, Max Operating Temperature=125°C, Min Operating Temperature=-40°C, Operating Temperature="-40 to 125 degC", Package Quantity=2000, Rated Current="0.8 A", Resistance to Solder Heat="+260 degC for 10 sec.", Resistor Type=Wirewound, Saturation Current=680mA, Supplier Part Number 1=SRN3015-150MCT-ND, Test Frequency=1MHz, Tolerance=20%, Category="Fixed Inductors", ComponentLink1Description="Manufacturer URL", ComponentLink1URL=http://www.bourns.com/, ComponentLink2Description=Datasheet, ComponentLink2URL=http://www.bourns.com/data/global/pdfs/SRN3015.pdf, ComponentLink3Description="Package Specification", ComponentLink3URL=http://www.bourns.com/data/global/pdfs/SRN3015.pdf, ComponentLink4Description=https://datasheet.ciiva.com/11802/0900766b80fe1f40-11802572.pdf?src-supplier=RSComponents, ComponentLink4URL=https://datasheet.ciiva.com/11802/0900766b80fe1f40-11802572.pdf?src-supplier=RSComponents, ComponentLink5Description=https://datasheet.ciiva.com/7849/1481208-7849509.pdf?src-supplier=Element14, ComponentLink5URL=https://datasheet.ciiva.com/7849/1481208-7849509.pdf?src-supplier=Element14, ComponentLink6Description=https://datasheet.ciiva.com/30224/587srn3015-30224969.pdf?src-supplier=Onlinecomponents.com, ComponentLink6URL=https://datasheet.ciiva.com/30224/587srn3015-30224969.pdf?src-supplier=Onlinecomponents.com, ComponentLink7Description=https://datasheet.ciiva.com/1048/srn3015-1048842.pdf?src-supplier=Digi-Key, ComponentLink7URL=https://datasheet.ciiva.com/1048/srn3015-1048842.pdf?src-supplier=Digi-Key, ComponentLink8Description=https://datasheet.ciiva.com/1048/srn3015-1048843.pdf?src-supplier=Digi-Key, ComponentLink8URL=https://datasheet.ciiva.com/1048/srn3015-1048843.pdf?src-supplier=Digi-Key, ComponentLink9Description=https://datasheet.ciiva.com/5986/1481208-5986171.pdf?src-supplier=Farnell, ComponentLink9URL=https://datasheet.ciiva.com/5986/1481208-5986171.pdf?src-supplier=Farnell, ComponentLink10Description=https://datasheet.ciiva.com/1048/srn3015-1048844.pdf?src-supplier=Digi-Key, ComponentLink10URL=https://datasheet.ciiva.com/1048/srn3015-1048844.pdf?src-supplier=Digi-Key, ComponentLink11Description=https://datasheet.ciiva.com/8515/srn3015-8515454.pdf?src-supplier=Avnet, ComponentLink11URL=https://datasheet.ciiva.com/8515/srn3015-8515454.pdf?src-supplier=Avnet, ComponentLink12Description=https://datasheet.ciiva.com/28678/1481208-28678223.pdf?src-supplier=Element14, ComponentLink12URL=https://datasheet.ciiva.com/28678/1481208-28678223.pdf?src-supplier=Element14, Core Material=Ferrite, DatasheetVersion=Aug-11, DC Current=800mA, DCR Max="0.422 Ohm", Depth=3.1mm, Height=1.5mm, Height - Seated (Max)=0.059inch, Isat="0.68 A", Length=3mm, Manufacturer Part Number=SRN3015-150M, Material=Steel, Max DC Current=800mA, Military Standard=Not, Mounting Technology="Surface Mount", Number of Pins=2, PackageDescription="2-Pin SMD, Body 3 x 3 mm, Height 1.5 mm", PackageReference=SRN3015, Packaging="Tape and Reel", Packing="Tape and Reel", PartNumber=SRN3015-150M, Pricing 1="1=0.49000, 10=0.42400, 25=0.39400, 50=0.33360, 100=0.30320, 250=0.28500, 500=0.25468, 1000=0.20617 (USD)", REACH SVHC="No SVHC", RMS Current (Irms)=800mA, RoHS=TRUE, RoHS Compliant=Yes, Sample Rate (Hz)=1MHz, Self Resonant Frequency=33MHz, Series=SRN3015, Shielding=Shielded, SRF Min="33 MHz", Stock 1=84, Supplier 1=Digi-Key, Termination=SMD/SMT, Weight=0.001235oz, Width=3mm
L2 L3: library part INDC_150n_1008, "Inductor SMD chip 150nH 1008", Manufacturer 1="TDK Corporation", Manufacturer Part Number 1=NLV25T-R15J-PF, Package / Case="1008 (2520 Metric)", Ratings="500 mA", Supplier Part Number 1=445-1715-1-ND, Tolerance=±5%, SCDType=spec, Supplier 1=Digi-Key
LED1 LED2 LED3: library part CMP-1426-00005-1, "SMD mono-color Chip LED, WL-SMCW, Yellow", Case Code (Imperial)=0603, Case Code (Metric)=1608, Color=Yellow, Forward Current=30mA, Forward Voltage=2V, Manufacturer="Wuerth Elektronik", Max Operating Temperature=85°C, Min Operating Temperature=-40°C, Package Quantity=4000, Supplier Part Number 1=732-4981-1-ND, Test Current=20mA, Case/Package=0603, Category=LEDs, ComponentLink1Description="Manufacturer URL", ComponentLink1URL=http://www.we-online.com, ComponentLink2Description=Datasheet, ComponentLink2URL=http://katalog.we-online.com/led/datasheet/150060YS75000.pdf, ComponentLink3Description=https://datasheet.ciiva.com/23843/150060ys75000-23843250.pdf?src-supplier=Newark, ComponentLink3URL=https://datasheet.ciiva.com/23843/150060ys75000-23843250.pdf?src-supplier=Newark, ComponentLink4Description=https://datasheet.ciiva.com/29279/759432-da-01-en-chipled-0603-w-kl-gelb-150060ys75000-29279206.pdf?src-supplier=Conrad, ComponentLink4URL=https://datasheet.ciiva.com/29279/759432-da-01-en-chipled-0603-w-kl-gelb-150060ys75000-29279206.pdf?src-supplier=Conrad, ComponentLink5Description=https://datasheet.ciiva.com/29563/150060ys75000-29563045.pdf?src-supplier=Digi-Key, ComponentLink5URL=https://datasheet.ciiva.com/29563/150060ys75000-29563045.pdf?src-supplier=Digi-Key, ComponentLink6Description=https://datasheet.ciiva.com/22656/1911348-22656951.pdf?src-supplier=Element14, ComponentLink6URL=https://datasheet.ciiva.com/22656/1911348-22656951.pdf?src-supplier=Element14, ComponentLink7Description=https://datasheet.ciiva.com/29563/150060ys75000-29563033.pdf?src-supplier=Digi-Key, ComponentLink7URL=https://datasheet.ciiva.com/29563/150060ys75000-29563033.pdf?src-supplier=Digi-Key, ComponentLink8Description=https://datasheet.ciiva.com/48430/150060ys75000-eng-tds-48430044.pdf?src-supplier=Distrelec, ComponentLink8URL=https://datasheet.ciiva.com/48430/150060ys75000-eng-tds-48430044.pdf?src-supplier=Distrelec, Dominant Wavelength=590nm, Height=0.7mm, Length=1.6mm, Lens Style=Clear,Rectangular, Luminous Intensity=120mcd, Manufacturer Part Number=150060YS75000, Mount="Surface Mount", PackageReference=0603_A, Packaging="Tape and Reel", PartNumber=150060YS75000, Pricing 1="1=0.14000, 50=0.13300, 100=0.11400, 500=0.09900 (USD)", REACH SVHC=Unknown, RoHS=Yes, Stock 1=139, Supplier 1=Digi-Key, Viewing Angle=140°, Wavelength=590nm, Width=0.8mm
NTC1 NTC2 NTC3 NTC4: library part CMP-06022-001050-1, "Thermistor NTC 10kΩ ±1% 2-Pin Radial Bulk", Max Operating Temperature=125°C, Max Power Dissipation=7.5mW, Min Operating Temperature=-40°C, Package Quantity=500, Resistance=10kR, Resistance Tolerance=1%, Height=2mm, Lead Diameter=0.4mm, Lead Free="Lead Free", Lead Pitch=2.5mm, Length=5mm, Mount="Through Hole", Number of Pins=2, Packaging=Bulk, Power Rating=7.5mW, RoHS Compliant=Yes, Series=NXR, Termination=Radial, Tolerance=1%, Width=4mm
NTC5: library part CMP-06022-000443-2, "THERMISTOR NTC", Case Code (Imperial)=0603, Case Code (Metric)=1608, Max Operating Temperature=125°C, Min Operating Temperature=-40°C, Case/Package=0603, REACH SVHC="No SVHC", RoHS Compliant=Yes
P3: "Header, 3-Pin", LatestRevisionDate=17-Jul-2002, LatestRevisionNote="Re-released for DXP Platform.", Publisher="Altium Limited"
P4: library part CMP-1024-00383-1, "0.025\" SQ Post Header, Through-hole, Vertical, -55 to 125 degC, 2.54 mm Pitch, 6-Pin, Male, RoHS", Manufacturer=Samtec, Temperature Range="-55 to 125 degC", ComponentLink1Description="Manufacturer URL", ComponentLink1URL=http://www.samtec.com, ComponentLink2Description=Datasheet, ComponentLink2URL=http://www.samtec.com/documents/webfiles/pdf/TSW_TH.PDF, ComponentLink3Description="Package Specification", ComponentLink3URL=http://www.samtec.com/documents/webfiles/cpdf/TSW-XXX-XX-XXX-X-XX-XXX-MKT.pdf, DatasheetVersion=F-214, Mounting Technology=Through-hole, Orientation=Vertical, PackageDescription=".025[0.64] SQ. Post Terminal Strip Assembly", PackageReference=TSW-106-07-X-S, PackageVersion="DM, 8/1988", PartNumber=TSW-106-07-G-S, Pitch="2.54 mm", RoHS=True